# Altium PCB PCB1.PcbDoc (part 3 of 4)
Units mm, origin at the board's own origin, x right, y up, seen from the top; angles counter-clockwise.
Board outline 200 x 70 mm, 6 copper layers (Top Layer, Int1 (GND), Int2 (Sign), Int3 (Sign), Int4 (GND), Bottom Layer), stack 1.597 mm thick; 448 components, 297 nets, 1385 pads, 258 vias.
Unrouted connection lines stored in the file: 535.
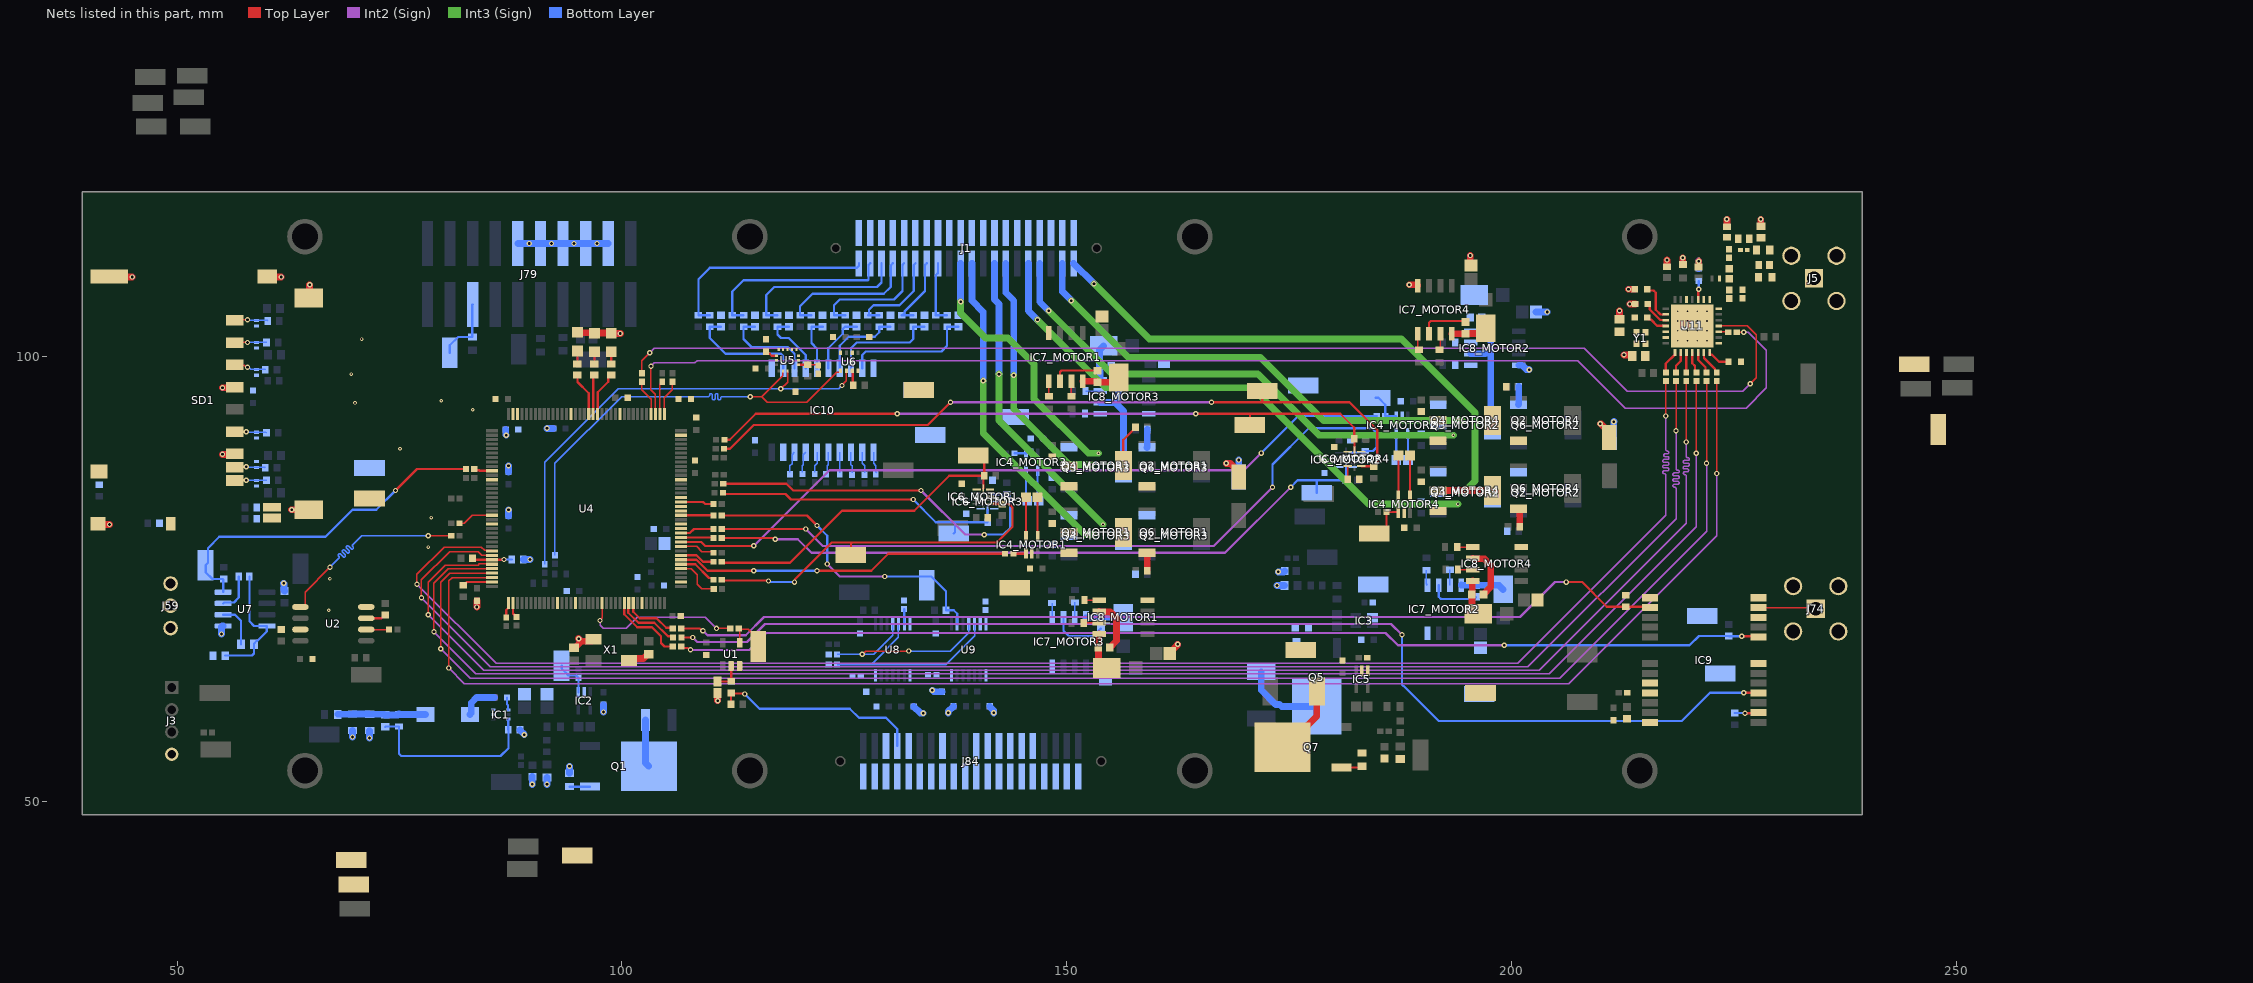
[diagram p7: the nets of this part, all layers, seen from the top]

## Via types
v1: diameter 0.6, hole 0.3, Top Layer to Bottom Layer, 224 vias
v2: diameter 0.4, hole 0.2, Top Layer to Bottom Layer, 18 vias
v3: diameter 0.5, hole 0.2, Top Layer to Bottom Layer, 16 vias

## Nets (pads, with @x,y where several pads share a name; then routed paths per layer and width w, separated by ;. In a path a pad name is that pad's centre, name@x,y a point inside that pad or via, vN(x,y) a via of type N, cw(c..) or ccw(c..) an arc to the next point about the centre after c; other vN are vias at no path point) (continued)
\CS_TEMP2: J2.1 R47.2 R146.1 U9.9 | length 35.3
  Top Layer w0.254: R47.2@111.219,82.169 120.777,82.169 v1(121.92,81.026)
  Int2 (Sign) w0.254: v1(123.063,76.708) 124.46,75.311 v1(129.54,75.311)
  Bottom Layer w0.254: v1(121.92,81.026) 123.063,79.883 v1(123.063,76.708) ; v1(129.54,75.311) 134.747,75.311 136.413,73.645 R146.1@136.413,71.501 137.287,71.501 137.661,71.127 U9.9@137.661,69.943
\DRDY_TEMP1: R51.2 U8.7
\DRDY_TEMP2: R52.2 U9.7
\FAULT_TEMP1: R50.2 U8.13 | length 1.7
  Bottom Layer w0.254: R50.2@131.699,71.661 131.714,71.646 131.714,69.946 U8.13@131.729,69.931
\FAULT_TEMP2: R49.2 U9.13
\RST: J62.1 J79.15 R105.2 | length 7.4
  Bottom Layer w0.254: J62.1@80.645,100.457 80.645,101.282 81.586,102.223 R105.2@83.185,102.223 83.185,105.828 J79.15@83.219,105.862
\RST_GPS: J69.1 R33.1 U4.27 | length 8.6
  Top Layer w0.254: U4.27@100.262,72.306 100.262,71.061 101.727,69.596 103.378,69.596 104.394,68.58 104.394,67.818 104.775,67.437 R33.1@105.697,67.437
AERO_CON: J84.07 R106.1 R107.2 | length 23.5
  Top Layer w0.254: R106.1@112.253,60.96 112.253,62.2 R107.2@112.268,62.215 112.324,62.159 113.736,62.159 v1(113.792,62.103)
  Bottom Layer w0.254: v1(113.792,62.103) 115.443,60.452 125.603,60.452 126.619,59.436 129.667,59.436 130.937,58.166 J84.07@130.937,56.261
AEROCONTACT: J23.1 R46.2 U1.4 | length 4.9
  Top Layer w0.156: U1.4@113.218,67.848 113.218,69.4 114.178,69.4 115.316,68.262 J23.1@115.316,67.437
ANT_ON: J68.1 R23.1 U4.29 | length 6.2
  Top Layer w0.254: U4.29@101.262,72.306 101.262,71.331 101.981,70.612 103.886,70.612 104.966,69.532 105.634,69.532 R23.1@105.697,69.469
BATT_RADIO: C42.1 C44.1 C45.1 U11.3 U11.14 U11.24 | length 7.8
  Top Layer w0.254: C44.1@215.268,105.918 215.491,105.695 215.491,105.311 216.674,104.128 217.274,104.128 U11.3@217.297,104.105 ; U11.24@220.922,106.43 220.945,106.453 220.945,107.534 v1(220.98,107.569) ; U11.14@222.222,100.48 222.222,100.255 222.245,100.232 222.47,100.232 223.261,99.441 C42.1@224.344,99.441
  Bottom Layer w0.254: v1(220.98,107.569) C45.1@220.98,108.52
BUZZER: J49.1 R59.2 R115.1 U7.8 | length 39.2
  Top Layer w0.254: v1(74.549,84.963) 76.962,87.376 R59.2@82.456,87.376
  Bottom Layer w0.254: U7.8@55.186,73.549 55.186,74.968 55.127,75.027 53.976,75.027 53.213,75.79 J49.1@53.213,76.581 53.467,76.835 53.467,78.486 54.737,79.756 66.675,79.756 69.723,82.804 72.39,82.804 v1(74.549,84.963)
CLK_SD: D9.2 R170.2 SD1.5 | length 3.6
  Top Layer w0.156: SD1.5@56.492,91.58 56.505,91.567 v1(57.785,91.567)
  Bottom Layer w0.156: v1(57.785,91.567) 57.813,91.539 58.9,91.539 D9.2@58.928,91.511 59.985,91.511 R170.2@60.056,91.44
CMD_SD: D10.2 R169.2 SD1.2 | length 3.7
  Top Layer w0.156: SD1.2@56.492,99.08 56.512,99.06 57.538,99.06 57.792,98.806 v1(57.912,98.806)
  Bottom Layer w0.156: v1(57.912,98.806) 58.032,98.806 58.271,98.567 D10.2@58.928,98.567 59.914,98.567 R169.2@59.929,98.552
DATA0_SD: D8.2 R171.2 SD1.7 | length 3.5
  Top Layer w0.156: SD1.7@56.492,87.58 56.541,87.63 v1(57.785,87.63)
  Bottom Layer w0.156: v1(57.785,87.63) 57.821,87.594 58.893,87.594 D8.2@58.928,87.559 59.873,87.559 R171.2@59.929,87.503
DATA1_SD: D7.2 R172.2 SD1.8 | length 3.6
  Top Layer w0.156: SD1.8@56.492,86.08 56.517,86.106 v1(57.785,86.106)
  Bottom Layer w0.156: v1(57.785,86.106) D7.2@58.928,86.106 R172.2@60.056,86.106
DATA2_SD: D1.2 R173.2 SD1.9 | length 3.8
  Top Layer w0.156: SD1.9@56.492,104.08 56.551,104.14 v1(57.912,104.14)
  Bottom Layer w0.156: v1(57.912,104.14) 57.94,104.112 58.9,104.112 D1.2@58.928,104.084 60.112,104.084 R173.2@60.183,104.013
DATA3_SD: D11.2 R168.2 SD1.1 | length 3.6
  Top Layer w0.156: SD1.1@56.492,101.58 56.511,101.6 v1(57.912,101.6)
  Bottom Layer w0.156: v1(57.912,101.6) 57.92,101.608 58.92,101.608 D11.2@58.928,101.615 60.041,101.615 R168.2@60.056,101.6
DIO0: R44.2 U11.8 | length 2.7
  Top Layer w0.254: R44.2@217.297,98.232 217.297,99.23 218.322,100.255 U11.8@218.322,100.48
DIO1: R43.2 U11.9 | length 2.5
  Top Layer w0.254: R43.2@218.44,98.232 218.44,98.979 218.972,99.511 U11.9@218.972,100.48
DIO2: R40.2 U11.10 | length 2.3
  Top Layer w0.254: R40.2@219.583,98.232 219.583,100.216 219.622,100.255 U11.10@219.622,100.48
DIO3: R39.2 U11.11 | length 2.4
  Top Layer w0.254: U11.11@220.272,100.48 220.272,99.26 220.569,98.963 220.569,98.389 R39.2@220.726,98.232
DIO4: R38.2 U11.12 | length 2.6
  Top Layer w0.254: U11.12@220.922,100.48 220.922,99.626 221.742,98.806 221.742,98.359 R38.2@221.869,98.232
DIO5: R37.2 U11.13 | length 2.8
  Top Layer w0.254: U11.13@221.572,100.48 221.572,99.865 222.814,98.623 222.814,98.43 R37.2@223.012,98.232
DIR_M1: IC6_MOTOR1.1 J11.1 R57.1 R108_MOTOR1.1 | length 41.8
  Top Layer w0.254: R57.1@111.219,74.93 111.283,74.867 116.395,74.867 v1(116.459,74.803) ; v1(119.38,74.676) 119.446,74.742 119.446,74.996 123.571,79.121 125.73,79.121 125.857,79.121 ; J11.1@125.73,77.724 125.73,78.994 125.857,79.121 ; IC6_MOTOR1.1@141.351,83.49 141.369,83.472 142.73,83.472 R108_MOTOR1.1@142.748,83.454 143.495,83.454 143.891,83.058 143.891,80.899 142.113,79.121 125.857,79.121
  Bottom Layer w0.254: v1(116.459,74.803) 116.553,74.803 116.68,74.676 v1(119.38,74.676)
DIR_M2: IC6_MOTOR2.1 J12.1 R62.1 R108_MOTOR2.1 | length 86.1
  Top Layer w0.254: R62.1@111.219,80.645 v1(120.65,80.645)
  Int2 (Sign) w0.254: v1(120.65,80.645) 122.555,78.74 166.497,78.74 v1(173.101,85.344)
  Bottom Layer w0.254: v1(173.101,85.344) 173.101,87.884 177.165,91.948 184.277,91.948 184.785,91.44 184.785,89.789 184.389,89.393 R108_MOTOR2.1@183.515,89.393 183.36,89.238 182.145,89.238 IC6_MOTOR2.1@182.118,89.211
DIR_M3: IC6_MOTOR3.1 J16.1 R70.1 R108_MOTOR3.1 | length 40.3
  Top Layer w0.254: R70.1@111.379,85.725 118.491,85.725 119.253,84.963 v1(133.604,84.963)
  Int2 (Sign) w0.254: v1(133.604,84.963) 138.557,80.01 v1(140.716,80.01)
  Bottom Layer w0.254: v1(140.716,80.01) 142.875,80.01 143.637,80.772 143.637,84.131 143.554,84.214 143.554,84.304 143.326,84.532 141.855,84.532 IC6_MOTOR3.1@141.835,84.512
DIR_M4: IC6_MOTOR4.1 J33.1 R80.1 R108_MOTOR4.1 | length 83.8
  Top Layer w0.254: R80.1@111.473,89.662 112.141,89.662 114.808,92.329 134.366,92.329 v1(136.906,94.869) ; v1(166.243,94.869) 171.958,94.869 ; J33.1@171.958,96.139 171.958,94.869 ; IC6_MOTOR4.1@183.06,87.719 183.087,87.692 184.566,87.692 184.767,87.893 184.767,88.037 184.855,88.125 184.855,91.771 181.756,94.869 171.958,94.869
  Int2 (Sign) w0.254: v1(136.906,94.869) v1(166.243,94.869)
EN_M1: IC6_MOTOR1.6 J17.1 R58.1 R111_MOTOR1.1 | length 38.1
  Top Layer w0.254: R58.1@111.219,76.962 111.346,76.835 118.872,76.835 124.714,82.677 132.842,82.677 136.779,86.614 R111_MOTOR1.1@140.701,86.614 ; J17.1@139.446,88.9 139.938,88.9 140.701,88.137 R111_MOTOR1.1@140.701,86.614 ; IC6_MOTOR1.6@140.601,85.19 140.628,85.217 140.628,86.541 R111_MOTOR1.1@140.701,86.614
EN_M2: IC6_MOTOR2.6 J34.1 R63.1 R111_MOTOR2.1 | length 77
  Top Layer w0.254: R63.1@111.219,79.629 117,79.629 117.127,79.502 v1(117.221,79.502)
  Int2 (Sign) w0.254: v1(117.221,79.502) 119.761,79.502 121.285,77.978 167.767,77.978 v1(175.133,85.344)
  Bottom Layer w0.254: v1(175.133,85.344) 175.895,86.106 178.054,86.106 ; J34.1@178.054,84.709 178.054,86.106 ; IC6_MOTOR2.6@181.368,87.511 181.354,87.497 181.354,86.12 R111_MOTOR2.1@181.341,86.106 178.054,86.106
EN_M3: IC6_MOTOR3.6 J14.1 R72.1 R111_MOTOR3.1 | length 33.8
  Top Layer w0.254: R72.1@111.346,84.709 111.473,84.582 118.364,84.582 118.999,83.947 v1(132.715,83.947)
  Bottom Layer w0.254: v1(132.715,83.947) 135.255,81.407 137.414,81.407 ; J14.1@137.287,80.137 137.414,80.264 137.414,81.407 ; IC6_MOTOR3.6@141.085,82.812 IC6_MOTOR3.6@141.085,82.812 141.083,81.409 R111_MOTOR3.1@141.082,81.407 137.414,81.407
EN_M4: IC6_MOTOR4.6 J25.1 R81.1 R111_MOTOR4.1 | length 76.5
  Top Layer w0.254: R81.1@111.506,90.678 112.121,90.678 115.042,93.599 v1(130.937,93.599) ; v1(164.465,93.599) 170.561,93.599 ; J25.1@170.561,92.329 170.561,93.599 ; IC6_MOTOR4.6@182.31,89.419 182.303,89.427 182.303,90.797 R111_MOTOR4.1@182.295,90.805 182.295,92.025 180.721,93.599 170.561,93.599
  Int2 (Sign) w0.254: v1(130.937,93.599) v1(164.465,93.599)
EXT_INT_GPS: J67.1 R22.1 U4.28 | length 7.3
  Top Layer w0.254: U4.28@100.762,72.306 100.714,72.258 100.714,71.244 101.854,70.104 103.632,70.104 105.156,68.58 105.603,68.58 R22.1@105.73,68.453
FDC1_CONN: J1.02 R147.1 R151.2 | length 24.2
  Bottom Layer w0.254: R151.2@109.855,104.663 R147.1@108.585,104.663 108.585,108.712 109.855,109.982 126.376,109.982 126.619,110.225 J1.02@126.619,110.49
FDC2_CONN: J1.04 R148.1 R152.2 | length 21.7
  Bottom Layer w0.254: R152.2@113.665,104.663 R148.1@112.395,104.663 112.395,107.315 113.665,108.585 127.635,108.585 127.699,108.649 127.699,110.3 J1.04@127.889,110.49
FDC3_CONN: J1.06 R149.1 R153.2 | length 19.2
  Bottom Layer w0.254: R153.2@117.475,104.663 R149.1@116.205,104.663 116.205,106.934 117.094,107.823 128.651,107.823 129.159,108.331 J1.06@129.159,110.49
FDC4_CONN: J1.08 R150.1 R154.2 | length 16.1
  Bottom Layer w0.254: R154.2@121.285,104.663 R150.1@120.015,104.663 120.015,105.664 121.412,107.061 129.413,107.061 130.186,107.834 130.186,110.247 J1.08@130.429,110.49
FDC5_CONN: J1.10 R155.1 R159.2 | length 13.9
  Bottom Layer w0.254: R159.2@125.095,104.663 R155.1@123.825,104.663 123.825,105.791 124.46,106.426 130.556,106.426 131.509,107.379 131.509,110.3 J1.10@131.699,110.49
FDC6_CONN: J1.12 R156.1 R160.2 | length 11
  Bottom Layer w0.254: R160.2@128.905,104.663 127.749,104.663 R156.1@127.635,104.663 127.749,104.777 127.749,105.27 128.27,105.791 131.191,105.791 132.779,107.379 132.779,110.3 J1.12@132.969,110.49
FDC7_CONN: J1.14 R157.1 R161.2 | length 8.3
  Bottom Layer w0.254: R161.2@132.715,104.663 R157.1@131.445,104.663 131.495,104.663 131.743,104.911 131.743,105.073 134.049,107.379 134.049,110.3 J1.14@134.239,110.49
FDC8_CONN: J1.16 R158.1 R162.2 | length 7.2
  Bottom Layer w0.254: J1.16@135.509,110.49 135.509,109.4 135.255,109.146 R158.1@135.255,104.663 R162.2@136.525,104.663
GND: C1.1 C2.2 C5.2 C6.2 C7.2 C8.2 C9.1 C10.1 C11.2 C12.2 C14.1 C15.2 C16.2 C17.1 C18.1 C19.2 C20.2 C21.2 C22.2 C23.2 C24.2 C25.2 C26.2 C27.2 C28.2 C29.2 C30.2 C31.2 C32.2 C35_MOTOR1.2 C35_MOTOR2.2 C35_MOTOR3.2 C35_MOTOR4.2 C38.2 C39.1 C40.1 C41.1 C42.2 C43.2 C44.2 C45.2 C46.2 C47.2 C48.2 C49.2 C50.1 C51.2 C52.2 C53.1 C54.2 C56_MOTOR1.2 C56_MOTOR2.2 C56_MOTOR3.2 C56_MOTOR4.2 C57_MOTOR1.2 C57_MOTOR2.2 C57_MOTOR3.2 C57_MOTOR4.2 C59_MOTOR1.2 C59_MOTOR2.2 C59_MOTOR3.2 C59_MOTOR4.2 C60.1 C62.1 C63.2 C64.2 C65.2 C66.2 C67.2 C68.2 C69.2 C72.2 C73.2 C74.2 C75.2 C76_MOTOR1.2 C76_MOTOR2.2 C76_MOTOR3.2 C76_MOTOR4.2 C77.1 C78.1 C79.1 C80.1 C81.2 C82.1 C83.1 C84.1 C85.1 D1.1 D2.2 D3.2 D4.2 D7.1 D8.1 D9.1 D10.1 D11.1 IC1.3 IC2.2 IC3.2 IC4_MOTOR1.2 IC4_MOTOR1.5 IC4_MOTOR2.2 IC4_MOTOR2.5 IC4_MOTOR3.2 IC4_MOTOR3.5 IC4_MOTOR4.2 IC4_MOTOR4.5 IC5.2 IC6_MOTOR1.3 IC6_MOTOR1.5 IC6_MOTOR1.7 IC6_MOTOR2.3 IC6_MOTOR2.5 IC6_MOTOR2.7 IC6_MOTOR3.3 IC6_MOTOR3.5 IC6_MOTOR3.7 IC6_MOTOR4.3 IC6_MOTOR4.5 IC6_MOTOR4.7 IC7_MOTOR1.4 IC7_MOTOR2.4 IC7_MOTOR3.4 IC7_MOTOR4.4 IC8_MOTOR1.4 IC8_MOTOR2.4 IC8_MOTOR3.4 IC8_MOTOR4.4 IC9.7 IC9.10 IC9.12 IC9.13 IC9.24 IC10.1 IC10.10 IC10.19 J1.01 J1.03 J1.05 J1.07 J1.09 J1.11 J1.13 J1.15 J1.17 J1.19 J1.21 J1.23 J1.25 J1.27 J1.29 J1.31 J1.33 J1.35 J1.37 J1.39 J3.4 J5.2 J5.3 J5.4 J5.5 J15.1 J32.1 J37.1 J38.1 J55.1 J56.1 J74.2 J74.3 J74.4 J74.5 J79.4 J79.6 J79.8 J79.10 J79.12 J84.02 J84.04 J84.05 J84.06 J84.08 J84.09 J84.10 J84.12 J84.14 J84.15 J84.16 J84.18 J84.20 J84.21 J84.22 J84.23 J84.24 J84.25 J84.26 J84.27 J84.28 J84.29 J84.30 J84.31 J84.32 J84.34 J84.36 J84.38 J84.40 L6.1 R3.1 R5.1 R18.1 R30_MOTOR1.1 R30_MOTOR2.1 R30_MOTOR3.1 R30_MOTOR4.1 R89.1 R96.1 R97.1 R98.1 R99.1 R112_MOTOR1.1 R112_MOTOR2.1 R112_MOTOR3.1 R112_MOTOR4.1 R123.1 SD1.3 SD1.6 SD1.14 SD1.15 SD1.16 SD1.17 SD1.18 U1.3 U2.4 U4.16 U4.31 U4.38 U4.51 U4.61 U4.83 U4.94 U4.107 U4.120 U4.130 U5.7 U5.8 U5.9 U5.10 U5.11 U5.12 U5.13 U5.15 U6.1 U6.5 U6.7 U7.5 U8.1 U8.14 U9.1 U9.14 U11.15 U11.23 U11.26 U11.29 X1.2 X1.4 Y1.2 Y1.4 | length 88.7
  Top Layer w0.254: IC4_MOTOR1.5@145.4,79.817 R30_MOTOR1.1@145.4,84.201 ; IC4_MOTOR4.5@187.248,84.389 R30_MOTOR4.1@187.248,88.9
  Top Layer w0.762: SD1.18@41.122,81.235 41.204,81.153 v1(42.418,81.153) ; SD1.17@42.382,109.01 42.426,108.966 v1(44.958,108.966) ; v1(55.118,89.027) 56.438,89.027 SD1.6@56.492,89.08 ; v1(55.118,96.52) 56.431,96.52 SD1.3@56.492,96.58 ; SD1.16@60.117,109.01 60.161,108.966 v1(61.722,108.966) ; v1(62.877,82.8) 64.791,82.8 SD1.14@64.797,82.805 ; SD1.15@64.797,106.605 64.897,106.706 v1(64.897,108.077) ; v1(83.693,71.882) C21.2@83.693,72.579 ; C14.1@94.615,67.273 94.69,67.273 95.454,68.037 ; D4.2@94.996,102.743 95.042,102.697 96.855,102.697 D3.2@96.901,102.65 D2.2@98.806,102.65 98.84,102.616 v1(99.822,102.616) ; v1(95.123,68.326) 95.412,68.037 95.454,68.037 ; X1.4@96.806,68.256 96.587,68.037 95.454,68.037 ; X1.2@100.806,65.856 101.025,66.075 102.412,66.075 102.922,66.585 C50.1@102.997,66.585 ; v1(110.744,61.341) C53.1@110.744,62.224 ; C59_MOTOR1.2@161.548,66.675 161.548,66.714 162.433,67.599 v1(162.433,67.691) ; v1(167.894,88.011) 168.367,88.011 169.291,87.087 C35_MOTOR1.2@169.291,86.487 ; v1(188.468,108.077) 189.366,108.077 189.422,108.021 IC7_MOTOR4.4@189.422,107.995 ; v1(195.326,111.379) 195.326,110.303 C56_MOTOR4.2@195.391,110.238 ; v1(209.931,92.456) 210.014,92.456 210.947,91.523 C35_MOTOR4.2@210.947,90.923 ; C41.1@212.09,104.23 v1(212.09,105.156) ; v1(212.598,100.203) 213.43,100.203 213.524,100.109 C40.1@213.524,100.076 ; v1(213.106,107.569) C47.2@213.803,107.569 ; v1(213.233,105.918) C44.2@213.868,105.918 ; C43.2@217.424,110.109 v1(217.424,110.871) ; C49.2@219.202,110.351 v1(219.202,111.125) ; C48.2@220.98,110.074 v1(220.98,110.744) ; C38.2@224.155,114.611 v1(224.155,115.443) ; C39.1@227.965,114.681 v1(227.965,115.443)
  Bottom Layer w0.254: IC4_MOTOR3.5@145.4,87.188 145.4,83.947 R30_MOTOR3.1@145.527,83.82 ; R30_MOTOR2.1@187.011,88.384 IC4_MOTOR2.5@187.011,91.371
  Bottom Layer w0.762: v1(54.991,68.834) 54.991,69.658 55.072,69.739 U7.5@55.186,69.739 ; v1(61.976,74.549) 62.034,74.491 62.034,73.719 62.078,73.675 C60.1@62.103,73.675 ; v1(69.723,57.277) C6.2@69.723,58.003 ; v1(71.628,57.15) 71.628,57.965 C5.2@71.644,57.98 ; C17.1@86.93,91.821 86.93,91.251 v1(86.995,91.186) ; C22.2@87.249,82.107 87.249,82.782 v1(87.256,82.789) ; C23.2@87.249,87.06 v1(87.249,87.757) ; J79.12@88.299,112.72 v1(89.569,112.72) J79.10@90.839,112.72 v1(92.075,112.72) J79.8@93.379,112.72 v1(94.615,112.72) J79.6@95.919,112.72 v1(97.189,112.72) J79.4@98.459,112.72 ; R3.1@88.534,58.063 88.534,58.025 89.027,57.532 v1(89.027,57.531) ; R18.1@88.915,77.216 v1(89.662,77.216) ; v1(89.916,51.943) C1.1@89.916,52.817 ; v1(91.567,51.943) R89.1@91.567,52.705 ; v1(91.567,91.948) C25.2@92.264,91.948 ; R5.1@94.107,53.189 v1(94.107,53.975) ; v1(97.917,60.071) C2.2@97.917,60.895 ; C72.2@132.78,60.706 133.542,59.944 v1(133.858,59.944) ; v1(134.874,62.529) 135.046,62.357 C69.2@135.952,62.357 ; v1(136.652,59.979) 136.652,60.125 C75.2@137.245,60.718 ; C74.2@141.312,60.718 141.764,60.266 v1(141.764,59.979) ; C35_MOTOR3.2@169.291,86.478 v1(169.291,88.392) ; v1(173.609,74.295) R98.1@174.445,74.295 ; v1(173.736,75.819) 174.356,75.819 174.414,75.877 174.439,75.877 174.483,75.921 C10.1@174.483,75.946 ; IC8_MOTOR2.4@200.787,99.052 201.112,99.052 201.612,98.552 v1(201.93,98.552) ; C59_MOTOR2.2@202.696,105.029 v1(203.962,105.029) ; C35_MOTOR2.2@211.029,90.915 211.448,91.334 211.448,92.703 v1(211.455,92.71) ; C45.2@220.98,109.92 v1(220.98,110.744)
  other v2: 67.056,71.501 67.183,75.057 78.232,78.613 78.574,81.925 75.057,89.662 83.235,94.041 69.995,94.808 79.679,95.057 69.572,98.051 70.739,101.981
  other v3: 218.622,101.805 219.722,101.805 220.822,101.805 221.922,101.805 218.622,102.905 219.722,102.905 220.822,102.905 221.922,102.905 218.622,104.005 219.722,104.005 220.822,104.005 221.922,104.005 218.622,105.105 219.722,105.105 220.822,105.105 221.922,105.105
HOT_L_MOTOR1: C58_MOTOR1.1 IC8_MOTOR1.6 J1.22 Q3_MOTOR1.2 Q3_MOTOR1.4 Q6_MOTOR1.3 R24_MOTOR1.1 | length 45
  Top Layer w0.762: IC8_MOTOR1.6@153.625,71.374 153.681,71.318 154.869,71.318 155.575,70.612 155.575,68.082 154.828,67.335 C58_MOTOR1.1@154.828,67.31 ; Q3_MOTOR1.4@156.339,80.264 Q3_MOTOR1.4@156.591,80.012 ; Q6_MOTOR1.3@159.002,77.964 159.013,77.953 159.013,75.952 R24_MOTOR1.1@159.019,75.946
  Int3 (Sign) w0.762: v1(140.589,97.282) 140.589,91.44 152.019,80.01 v2(153.035,80.01)
  Bottom Layer w0.762: J1.22@139.319,110.49 139.319,106.299 140.589,105.029 v1(140.589,97.282)
HOT_L_MOTOR2: C58_MOTOR2.1 IC8_MOTOR2.6 J1.34 Q3_MOTOR2.2 Q3_MOTOR2.4 Q6_MOTOR2.3 R24_MOTOR2.1 | length 74
  Int3 (Sign) w0.762: v1(147.955,105.156) 155.067,98.044 171.45,98.044 178.308,91.186 v2(193.421,91.186)
  Bottom Layer w0.762: J1.34@146.939,110.49 146.939,106.172 v1(147.955,105.156) ; IC8_MOTOR2.6@195.363,100.322 196.969,100.322 197.29,100.643 ; C58_MOTOR2.1@196.596,104.394 196.596,104.369 196.64,104.325 197.166,104.325 197.612,103.879 197.612,92.532 Q3_MOTOR2.4@197.823,92.321 ; Q6_MOTOR2.3@200.74,94.621 200.766,94.647 200.766,96.633 R24_MOTOR2.1@200.772,96.639
HOT_L_MOTOR3: C58_MOTOR3.1 IC8_MOTOR3.6 J1.28 Q3_MOTOR3.2 Q3_MOTOR3.4 Q6_MOTOR3.3 R24_MOTOR3.1 | length 44.2
  Int3 (Sign) w0.762: v1(144.018,97.917) 144.018,94.107 150.241,87.884 v2(152.781,87.884)
  Bottom Layer w0.762: J1.28@143.129,110.49 143.129,107.188 144.018,106.299 v1(144.018,97.917) ; IC8_MOTOR3.6@153.752,94.869 155.383,94.869 ; C58_MOTOR3.1@154.97,98.933 154.97,98.908 155.707,98.171 155.829,98.171 155.829,95.315 155.383,94.869 ; Q3_MOTOR3.4@156.339,87.503 156.339,93.913 155.383,94.869 ; Q6_MOTOR3.3@159.002,89.803 159.028,89.829 159.028,91.815 R24_MOTOR3.1@159.034,91.821
HOT_L_MOTOR4: C58_MOTOR4.1 IC8_MOTOR4.6 J1.40 Q3_MOTOR4.2 Q3_MOTOR4.4 Q6_MOTOR4.3 R24_MOTOR4.1 | length 75.4
  Top Layer w0.762: Q3_MOTOR4.2@191.706,84.963 v2(194.756,84.963) Q3_MOTOR4.4@197.806,84.963 ; IC8_MOTOR4.6@195.6,77.343 195.656,77.287 196.906,77.287 197.612,76.581 197.612,74.113 196.803,73.304 C58_MOTOR4.1@196.803,73.279 ; Q6_MOTOR4.3@200.723,82.917 200.773,82.917 200.867,82.823 R24_MOTOR4.1@200.867,80.899
  Int3 (Sign) w0.762: v1(153.035,108.204) 159.258,101.981 187.579,101.981 195.834,93.726 195.834,86.041 v2(194.756,84.963)
  Bottom Layer w0.762: J1.40@150.749,110.49 v1(153.035,108.204)
HOT_R_MOTOR1: C55_MOTOR1.1 IC7_MOTOR1.6 J1.20 Q2_MOTOR1.3 Q4_MOTOR1.2 Q4_MOTOR1.4 R25_MOTOR1.1 | length 40.1
  Top Layer w0.254: IC7_MOTOR1.6@149.225,97.237 149.225,98.291 149.374,98.44 C55_MOTOR1.1@153.416,98.44 ; Q4_MOTOR1.4@156.339,87.757 156.339,90.66 157.704,92.025 R25_MOTOR1.1@157.704,92.075
  Int3 (Sign) w0.762: v1(138.049,106.172) 138.049,104.902 140.843,102.108 143.383,102.108 146.304,99.187 146.304,95.25 152.4,89.154 v2(153.543,89.154)
  Bottom Layer w0.762: v1(138.049,106.172) J1.20@138.049,110.49
HOT_R_MOTOR2: C55_MOTOR2.1 IC7_MOTOR2.6 J1.32 Q2_MOTOR2.3 Q4_MOTOR2.2 Q4_MOTOR2.4 R25_MOTOR2.1 | length 68.3
  Int3 (Sign) w0.762: v1(146.685,104.14) 154.305,96.52 170.815,96.52 183.896,83.439 v2(193.929,83.439)
  Bottom Layer w0.254: IC7_MOTOR2.6@191.77,74.34 191.77,73.025 192.024,72.771 195.722,72.771 C55_MOTOR2.1@195.961,73.01
  Bottom Layer w0.762: J1.32@145.669,110.49 145.669,105.156 v1(146.685,104.14)
HOT_R_MOTOR3: C55_MOTOR3.1 IC7_MOTOR3.6 J1.26 Q2_MOTOR3.3 Q4_MOTOR3.2 Q4_MOTOR3.4 R25_MOTOR3.1 | length 40.6
  Int3 (Sign) w0.762: v1(142.367,98.044) 142.367,92.837 v2(154.051,81.153)
  Bottom Layer w0.254: IC7_MOTOR3.6@149.606,70.657 149.606,69.215 150.241,68.58 152.913,68.58 153.772,69.439 C55_MOTOR3.1@153.797,69.439